# Altium PCB SEEED ORDER 100mm x 150mm.PcbDoc (part 3 of 3)
Units mil, origin at the board's own origin, x right, y up, seen from the top; angles counter-clockwise.
Board outline 5905.51 x 3937.01 mil, 2 copper layers (Top Layer, Bottom Layer); 155 components, 122 nets, 624 pads, 161 vias.
Unrouted connection lines stored in the file: 6.
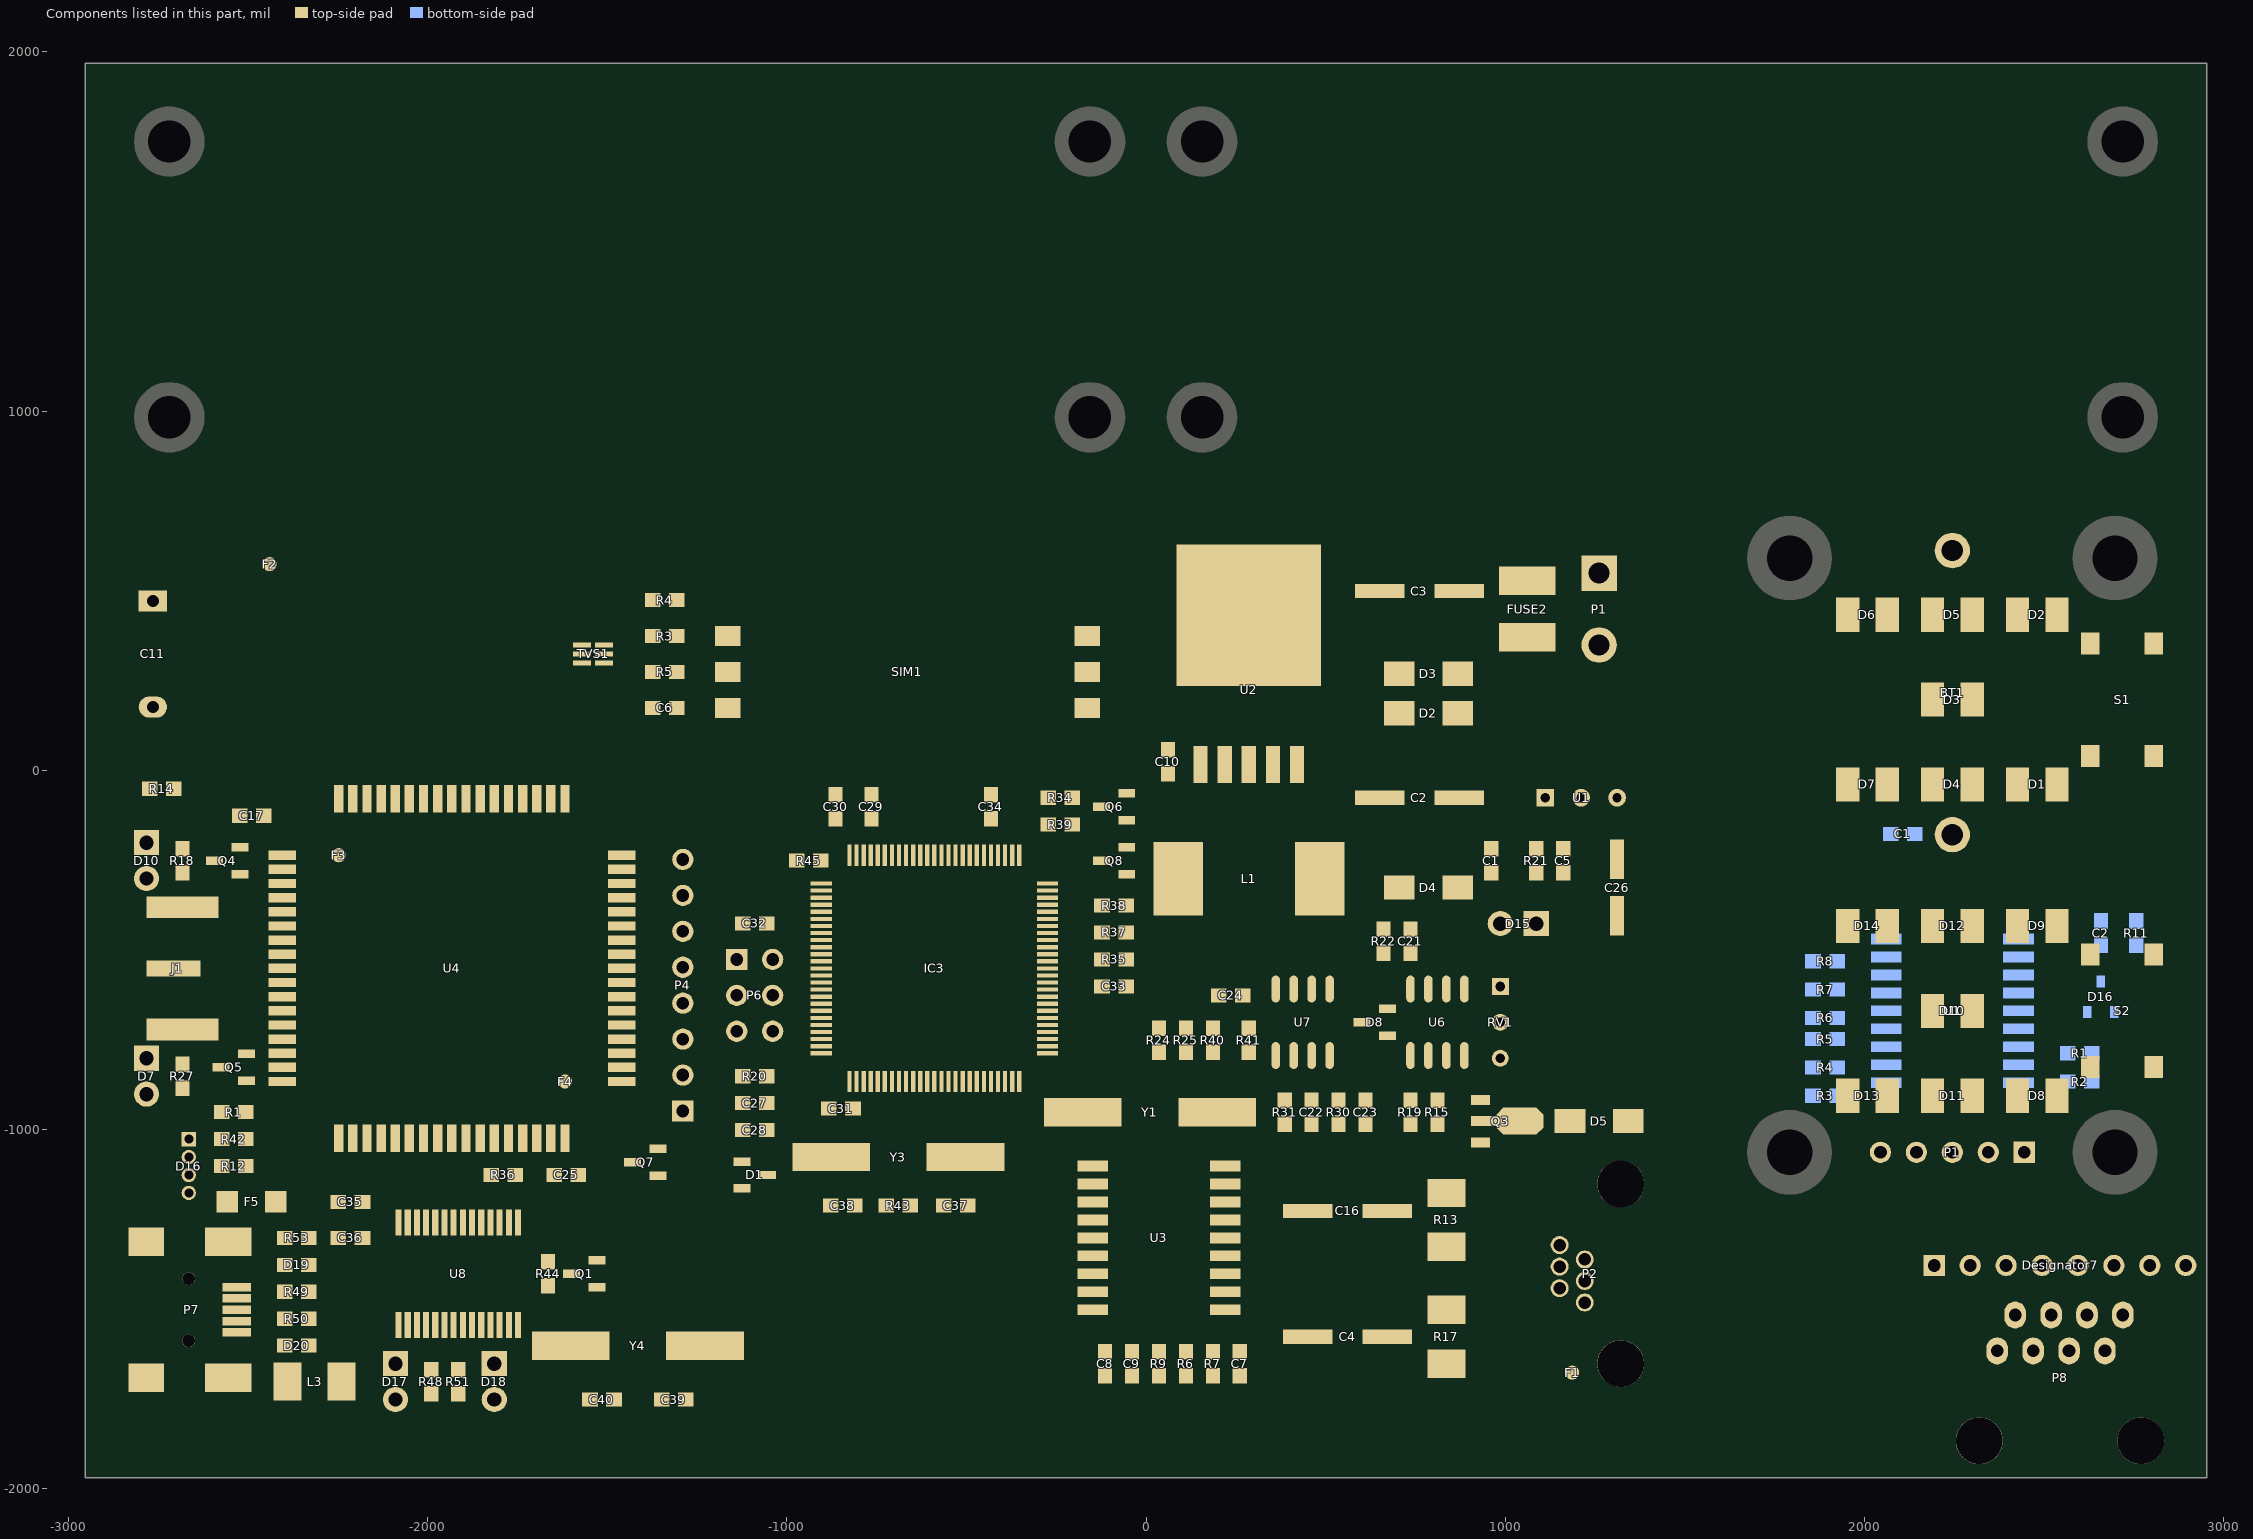
[diagram p3: the components of this part, seen from the top]

## Silkscreen, mask and mechanical layers (free items; w line width, h text height) (continued)
Mechanical 1:
  circle w10: c887.01,1269.68 r98.43
  circle w10: c1737.01,1244.09 r59.06
  circle w10: c1137.01,1244.09 r59.06
  circle w10: c155.51,1750 r49.21
  circle w10: c155.51,982.28 r49.21
  circle w10: c2718.5,1750 r49.21
  circle w10: c1437.01,1161.42 r137.8
  circle w10: c-1153.15,1286.42 r78.74
  circle w10: c-155.51,1750 r49.21
  circle w10: c-2718.5,982.28 r49.21
  circle w10: c-2718.5,1750 r49.21
  lines w10: -2447.01,1581.42 -2447.01,1501.42 -2642.01,1501.42 ccw(c-2642.01,1456.42) -2687.01,1456.42 -2687.01,1196.42 ccw(c-2652.01,1196.42) -2652.01,1161.42 -2247.01,1161.42 ccw(c-2247.01,1201.42) -2207.01,1201.42 -2207.01,1456.42 ccw(c-2252.01,1456.42) -2252.01,1501.42 -2367.01,1501.42 -2367.01,1581.42 ; -2446.38,1579.49 cw(c-2407.01,1579.49) -2367.64,1579.49 ; -907.01,1188.86 -907.01,1654.49 cw(c-867.64,1654.49) -867.64,1693.86 -587.01,1693.86 -306.38,1693.86 cw(c-306.38,1654.49) -267.01,1654.49 -267.01,1188.86 ; -906.38,1188.86 ccw(c-867.01,1188.86) -867.01,1149.49 -587.01,1149.49 -307.01,1149.49 ccw(c-307.01,1188.86) -267.64,1188.86 ; -205.15,982.28 -155.94,982.28 ; -201.44,964.62 ccw(c-155.51,982.28) -201.2,1000.56 ; 2134.65,-1968.5 2134.65,-1318.9 2941.73,-1318.9 ; 2145.67,-1318.9 2952.76,-1318.9 2952.76,-1968.5 ; 2672.57,964.62 ccw(c2718.5,982.28) 2672.81,1000.56 ; -2854.33,-1870.08 -2854.33,-1870.08 ; -2854.33,-1870.08 -2854.33,-1870.08 ; -2854.33,-1870.08 1476.38,-1870.08 ; -2854.33,-1870.08 -2854.33,-746.18 ; -2854.33,-1870.08 -2854.33,-746.18 ; -2854.33,-1870.08 -2854.33,-1870.08 ; -2854.33,-1870.08 1476.38,-1870.08 ; -2854.33,-746.18 -2791.28,-746.18 ; -2854.33,-746.18 -2854.33,-746.18 ; -2854.33,-746.18 -2791.28,-746.18 ; -2854.33,-351.18 -2791.28,-351.18 ; -2854.33,-351.18 -2854.33,767.72 ; -2854.33,-351.18 -2854.33,767.72 ; -2854.33,-351.18 -2791.28,-351.18 ; -2854.33,767.72 1476.38,767.72 ; -2854.33,767.72 1476.38,767.72 ; -2791.28,-746.18 ccw(c-2791.28,-706.81) -2751.91,-706.81 -2751.91,-390.55 ccw(c-2791.28,-390.55) -2791.28,-351.18 ; 1476.38,-1870.08 1476.38,-1870.08 ; 1476.38,-1870.08 1476.38,-1870.08 ; 1476.38,-1870.08 1476.38,767.72 ; 1476.38,-1870.08 1476.38,767.72 ; 1476.38,767.72 1476.38,767.72 ; 1791.34,-1220.47 cw(c1791.34,-1062.99) 1633.86,-1062.99 1633.86,590.55 cw(c1791.34,590.55) 1791.34,748.03 2696.85,748.03 ; 1791.34,-1220.47 1791.34,-1220.47 ; 1791.34,-1220.47 2696.85,-1220.47 ccw(c2696.85,-1062.99) 2854.33,-1062.99 2854.33,590.55 ccw(c2696.85,590.55) 2696.85,748.03 ; 2696.85,748.03 2696.85,748.03 ; 2952.76,-1968.5 2952.76,1968.5 -2952.76,1968.5 -2952.76,-1968.5 2952.76,-1968.5 ; -2834.65,1021.65 ccw(c-2677.17,1021.65) -2677.17,864.17 -1437.01,864.17 -196.85,864.17 ccw(c-196.85,1021.65) -39.37,1021.65 -39.37,1366.14 -39.37,1710.63 ccw(c-196.85,1710.63) -196.85,1868.11 -1437.01,1868.11 -2677.17,1868.11 ccw(c-2677.17,1710.63) -2834.65,1710.63 -2834.65,1366.14 -2834.65,1021.65 ; -2224.41,767.72 -2224.41,767.72 ; 39.37,1021.65 ccw(c196.85,1021.65) 196.85,864.17 1437.01,864.17 2677.17,864.17 ccw(c2677.17,1021.65) 2834.65,1021.65 2834.65,1366.14 2834.65,1710.63 ccw(c2677.17,1710.63) 2677.17,1868.11 1437.01,1868.11 196.85,1868.11 ccw(c196.85,1710.63) 39.37,1710.63 39.37,1366.14 39.37,1021.65 ; 329.53,1200.79 ccw(c368.9,1200.79) 368.9,1161.42 487.01,1161.42 605.12,1161.42 ccw(c605.12,1200.79) 644.49,1200.79 644.49,1279.53 ccw(c605.12,1279.53) 605.12,1318.9 565.75,1318.9 487.01,1318.9 408.27,1318.9 368.9,1318.9 ccw(c368.9,1279.53) 329.53,1279.53 329.53,1200.79
Mechanical 2:
  drawing of 164 lines, arcs and shapes, not listed
Mechanical 3:
  lines w5: -2731.29,1633.86 cw(c-2700.58,1594.41) -2700.58,1644.41 -2675.82,1644.41 ccw(c-2675.82,1654.41) -2665.82,1654.41 ; -272.09,1748.78 ccw(c-232.72,1748.78) -232.72,1709.41
  lines w10: -2988.98,-851.12 -2781.55,-851.12 ; -2988.98,-551.18 -2688.98,-551.18 ; -2988.98,-251.18 -2781.55,-251.18 ; -2781.55,-901.12 -2781.55,-801.12 ; -2781.55,-301.12 -2781.55,-201.12 ; -2663.98,-1587.8 -2663.98,-1414.57 ; -1152.01,1196.42 -1152.01,1286.42 ; 862.01,1541.14 912.01,1541.14 ; 887.01,1216.14 887.01,1541.14 ; 1087.07,1423.57 1187.07,1423.57 ; 1137.01,1216.14 1137.07,1216.14 1137.07,1423.57 ; 1437.01,1216.14 1437.01,1516.14 ; 1687.07,1423.57 1787.07,1423.57 ; 1737.01,1216.14 1737.01,1423.57 ; -2988.98,-1101.18 -2663.98,-1101.18 -2988.98,-1101.18 ; -2663.98,-1126.18 -2663.98,-1076.18 -2663.98,-1126.18

## Text inside footprints (layer, text, board x,y; h text height)
C2: Top Overlay "+" at 731.5,60.63 h59.06 r270
C3: Top Overlay "+" at 731.5,635.63 h59.06 r270
C4: Top Overlay "+" at 590.55,-1712.99 h59.06 r90
C11: Top Overlay "+" at -2763.46,535.7 h59.06 r270
C16: Top Overlay "+" at 590.55,-1362.99 h59.06 r90